# KiCad board panel.kicad_pcb (continued)
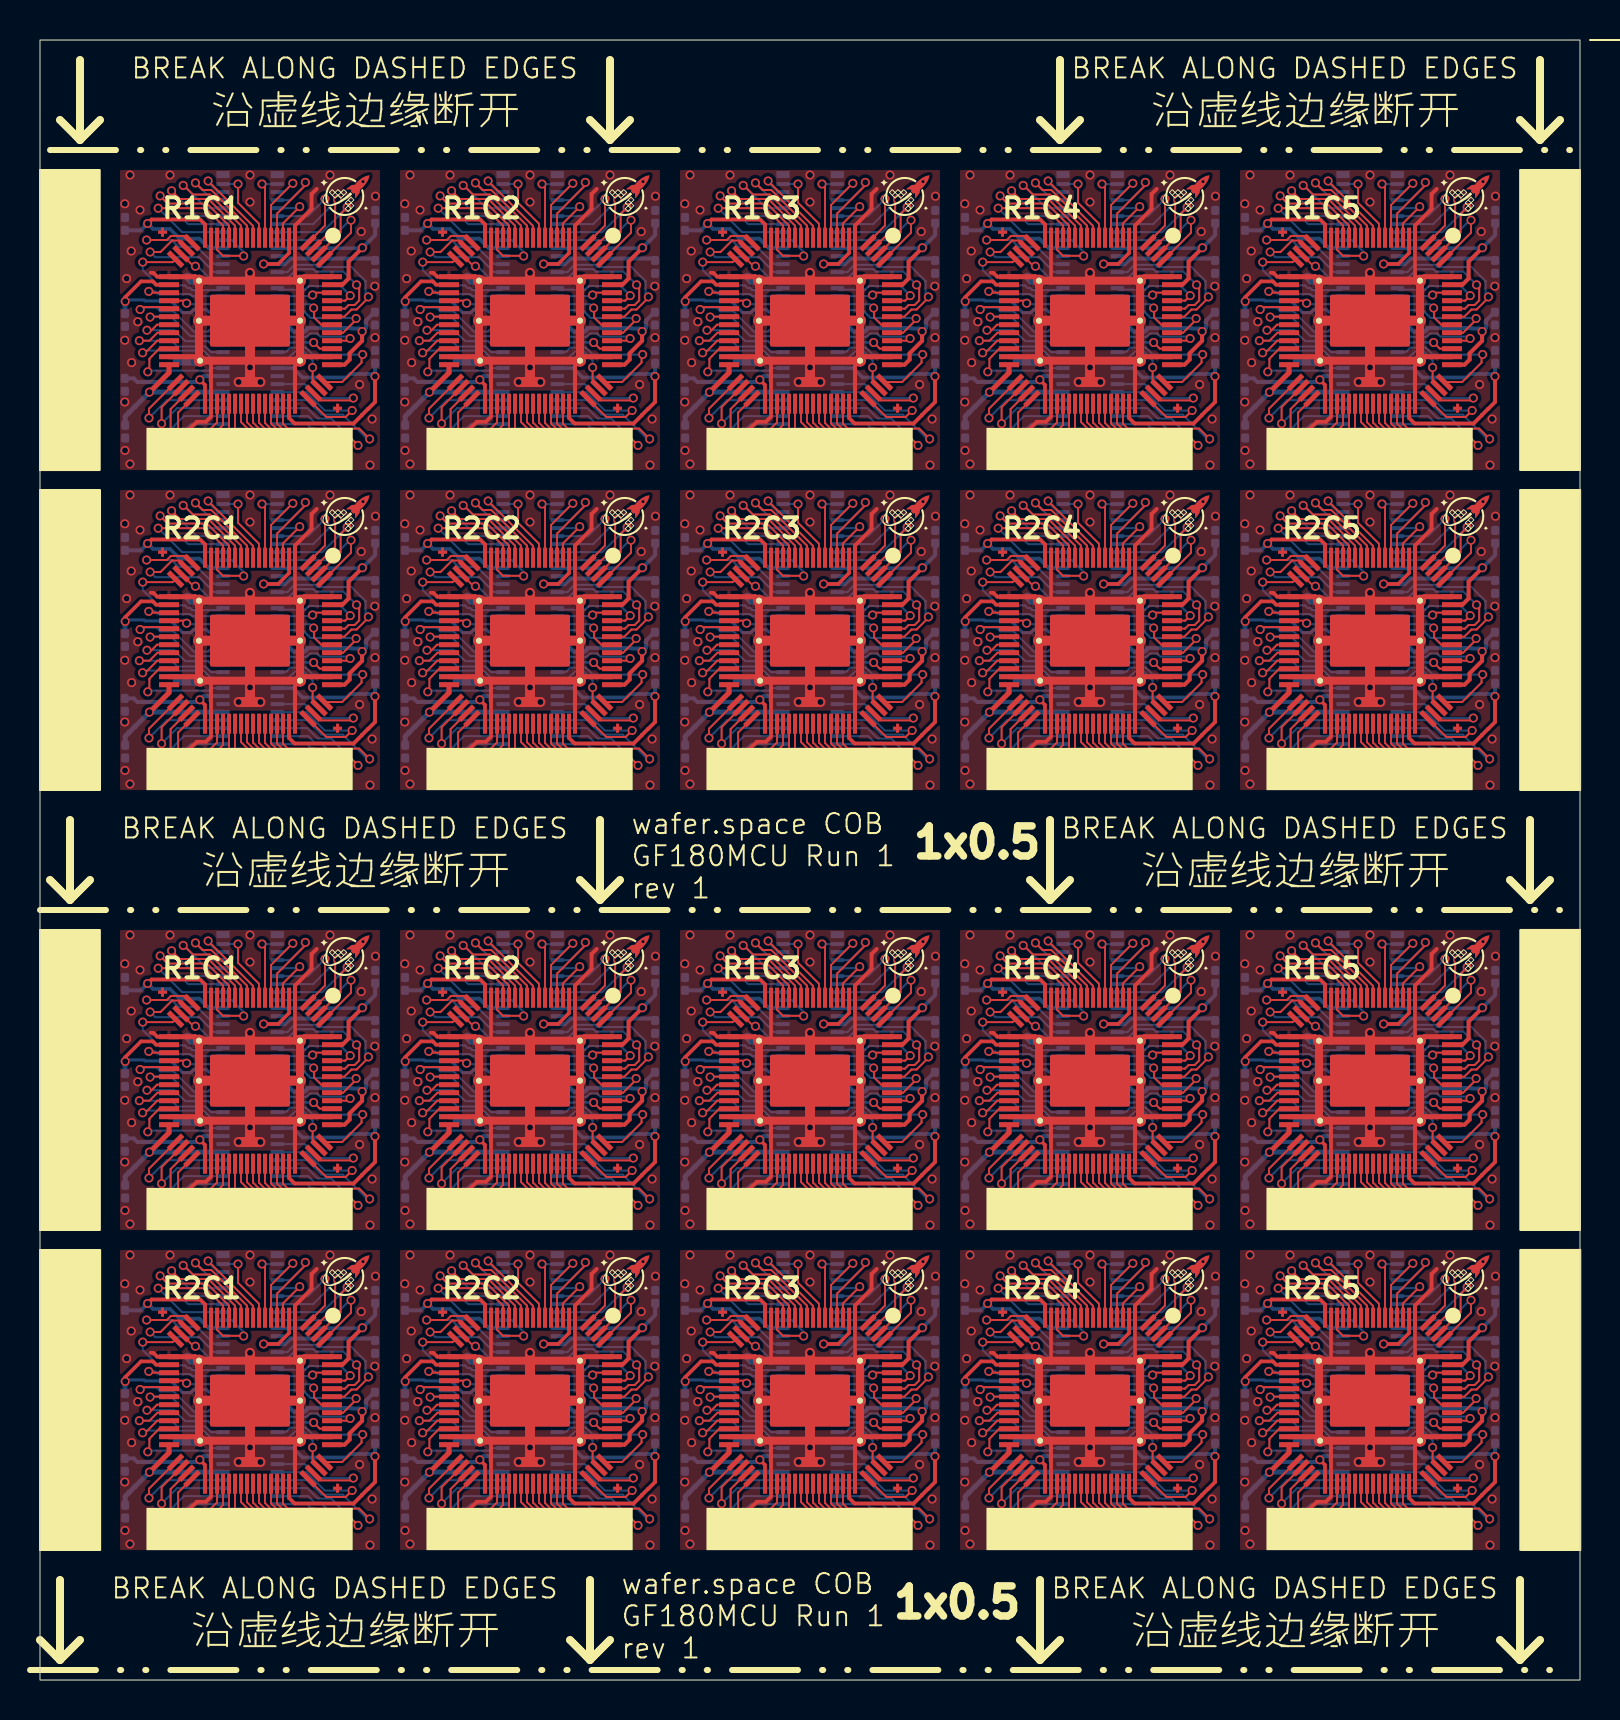
[diagram p0: board, top side]
## Routing (per net, layer and track width the routed paths; a pad name or vN(x,y) marks a point on that pad's centre or on a via; arc(x,y) is an arc through that point) (continued)
/bidir_10: length 151.9
  Top w0.1: 37.75,18.11 37.75,18.72 36.42,20.05 34.99,20.05 v1(34.58,20.46) ; U102#2.15 9.75,72.72 8.42,74.05 6.99,74.05 v1(6.58,74.46) ; v1(34.58,74.46) 34.99,74.05 36.42,74.05 37.75,72.72 U106.15 ; v1(20.58,20.46) 20.99,20.05 22.42,20.05 23.75,18.72 23.75,18.11 ; 23.75,34.11 23.75,34.72 22.42,36.05 20.99,36.05 v1(20.58,36.46) ; v1(6.58,20.46) 6.99,20.05 8.42,20.05 9.75,18.72 9.75,18.11 ; v1(20.58,58.46) 20.99,58.05 22.42,58.05 23.75,56.72 23.75,56.11 ; v1(48.58,20.46) 48.99,20.05 50.42,20.05 51.75,18.72 51.75,18.11 ; 65.75,56.11 65.75,56.72 64.42,58.05 62.99,58.05 v1(62.58,58.46) ; 37.75,34.11 37.75,34.72 36.42,36.05 34.99,36.05 v1(34.58,36.46) ; U110.15 65.75,72.72 64.42,74.05 62.99,74.05 v1(62.58,74.46) ; v1(6.58,58.46) 6.99,58.05 8.42,58.05 9.75,56.72 9.75,56.11 ; 9.75,34.11 9.75,34.72 8.42,36.05 6.99,36.05 v1(6.58,36.46) ; 51.75,34.11 51.75,34.72 50.42,36.05 48.99,36.05 v1(48.58,36.46) ; U108#2.15 51.75,72.72 50.42,74.05 48.99,74.05 v1(48.58,74.46) ; v1(62.58,36.46) 62.99,36.05 64.42,36.05 65.75,34.72 65.75,34.11 ; U104.15 23.75,72.72 22.42,74.05 20.99,74.05 v1(20.58,74.46) ; v1(34.58,58.46) 34.99,58.05 36.42,58.05 37.75,56.72 37.75,56.11 ; v1(48.58,58.46) 48.99,58.05 50.42,58.05 51.75,56.72 51.75,56.11 ; 65.75,18.11 65.75,18.72 64.42,20.05 62.99,20.05 v1(62.58,20.46)
  Bottom w0.1: U117.66 49.84,19.2 v1(48.58,20.46) ; U115.66 35.84,57.2 v1(34.58,58.46) ; U109.66 63.84,73.19 v1(62.58,74.46) ; v1(6.58,20.46) 7.84,19.2 U111#2.66 ; U115#2.66 35.84,19.2 v1(34.58,20.46) ; v1(20.58,74.46) 21.84,73.19 U103.66 ; U109#2.66 63.84,35.2 v1(62.58,36.46) ; v1(48.58,58.46) 49.84,57.2 U117#2.66 ; v1(48.58,36.46) 49.84,35.2 U107.66 ; U101.66 7.84,35.2 v1(6.58,36.46) ; U113.66 21.84,57.2 v1(20.58,58.46) ; v1(20.58,20.46) 21.84,19.2 U113#2.66 ; U105.66 35.84,35.2 v1(34.58,36.46) ; U105#2.66 35.84,73.19 v1(34.58,74.46) ; v1(20.58,36.46) 21.84,35.2 U103#2.66 ; U119.66 63.84,19.2 v1(62.58,20.46) ; U111.66 7.84,57.2 v1(6.58,58.46) ; U107#2.66 49.84,73.19 v1(48.58,74.46) ; U119#2.66 63.84,57.2 v1(62.58,58.46) ; U101#2.66 7.84,73.19 v1(6.58,74.46)
/bidir_11: length 168.1
  Top w0.1: 37.45,56.11 37.45,56.72 36.34,57.83 34.38,57.83 34.01,58.2 v1(34.01,58.21) ; U106.16 37.45,72.72 36.34,73.83 34.38,73.83 34.01,74.2 v1(34.01,74.21) ; 9.45,18.11 9.45,18.72 8.34,19.83 6.38,19.83 6.01,20.2 v1(6.01,20.21) ; U102#2.16 9.45,72.72 8.34,73.83 6.38,73.83 6.01,74.2 v1(6.01,74.21) ; v1(20.01,58.21) 20.01,58.2 20.38,57.83 22.34,57.83 23.45,56.72 23.45,56.11 ; v1(62.01,74.21) 62.01,74.2 62.38,73.83 64.34,73.83 65.45,72.72 U110.16 ; v1(34.01,20.21) 34.01,20.2 34.38,19.83 36.34,19.83 37.45,18.72 37.45,18.11 ; 65.45,18.11 65.45,18.72 64.34,19.83 62.38,19.83 62.01,20.2 v1(62.01,20.21) ; 65.45,34.11 65.45,34.72 64.34,35.83 62.38,35.83 62.01,36.2 v1(62.01,36.21) ; 37.45,34.11 37.45,34.72 36.34,35.83 34.38,35.83 34.01,36.2 v1(34.01,36.21) ; v1(62.01,58.21) 62.01,58.2 62.38,57.83 64.34,57.83 65.45,56.72 65.45,56.11 ; U104.16 23.45,72.72 22.34,73.83 20.38,73.83 20.01,74.2 v1(20.01,74.21) ; 51.45,56.11 51.45,56.72 50.34,57.83 48.38,57.83 48.01,58.2 v1(48.01,58.21) ; v1(20.01,36.21) 20.01,36.2 20.38,35.83 22.34,35.83 23.45,34.72 23.45,34.11 ; U108#2.16 51.45,72.72 50.34,73.83 48.38,73.83 48.01,74.2 v1(48.01,74.21) ; v1(6.01,36.21) 6.01,36.2 6.38,35.83 8.34,35.83 9.45,34.72 9.45,34.11 ; 9.45,56.11 9.45,56.72 8.34,57.83 6.38,57.83 6.01,58.2 v1(6.01,58.21) ; v1(20.01,20.21) 20.01,20.2 20.38,19.83 22.34,19.83 23.45,18.72 23.45,18.11 ; 51.45,18.11 51.45,18.72 50.34,19.83 48.38,19.83 48.01,20.2 v1(48.01,20.21) ; v1(48.01,36.21) 48.01,36.2 48.38,35.83 50.34,35.83 51.45,34.72 51.45,34.11
  Bottom w0.1: v1(62.01,36.21) 62.01,36.2 63.41,34.8 U109#2.65 ; U105.65 35.41,34.8 34.01,36.2 v1(34.01,36.21) ; v1(62.01,20.21) 62.01,20.2 63.41,18.8 U119.65 ; v1(20.01,20.21) 20.01,20.2 21.41,18.8 U113#2.65 ; U103#2.65 21.41,34.8 20.01,36.2 v1(20.01,36.21) ; U107#2.65 49.41,72.8 48.01,74.2 v1(48.01,74.21) ; U111.65 7.41,56.8 6.01,58.2 v1(6.01,58.21) ; v1(20.01,74.21) 20.01,74.2 21.41,72.8 U103.65 ; v1(62.01,74.21) 62.01,74.2 63.41,72.8 U109.65 ; v1(48.01,36.21) 48.01,36.2 49.41,34.8 U107.65 ; U101#2.65 7.41,72.8 6.01,74.2 v1(6.01,74.21) ; v1(6.01,36.21) 6.01,36.2 7.41,34.8 U101.65 ; v1(6.01,20.21) 6.01,20.2 7.41,18.8 U111#2.65 ; v1(48.01,58.21) 48.01,58.2 49.41,56.8 U117#2.65 ; v1(48.01,20.21) 48.01,20.2 49.41,18.8 U117.65 ; v1(34.01,58.21) 34.01,58.2 35.41,56.8 U115.65 ; v1(62.01,58.21) 62.01,58.2 63.41,56.8 U119#2.65 ; U105#2.65 35.41,72.8 34.01,74.2 v1(34.01,74.21) ; U115#2.65 35.41,18.8 34.01,20.2 v1(34.01,20.21) ; U113.65 21.41,56.8 20.01,58.2 v1(20.01,58.21)
/bidir_12: length 158.9
  Top w0.1: v1(47.91,57.59) 50.28,57.59 51.15,56.72 51.15,56.11 ; v1(61.91,35.59) 64.28,35.59 65.15,34.72 65.15,34.11 ; v1(5.91,35.59) 8.28,35.59 9.15,34.72 9.15,34.11 ; v1(33.91,19.59) 36.28,19.59 37.15,18.72 37.15,18.11 ; 65.15,18.11 65.15,18.72 64.28,19.59 v1(61.91,19.59) ; 23.15,18.11 23.15,18.72 22.28,19.59 v1(19.91,19.59) ; v1(61.91,73.59) 64.28,73.59 65.15,72.72 U110.17 ; v1(47.91,73.59) 50.28,73.59 51.15,72.72 U108#2.17 ; 23.15,34.11 23.15,34.72 22.28,35.59 v1(19.91,35.59) ; v1(33.91,35.59) 36.28,35.59 37.15,34.72 37.15,34.11 ; v1(33.91,57.59) 36.28,57.59 37.15,56.72 37.15,56.11 ; 65.15,56.11 65.15,56.72 64.28,57.59 v1(61.91,57.59) ; U102#2.17 9.15,72.72 8.28,73.59 v1(5.91,73.59) ; v1(47.91,35.59) 50.28,35.59 51.15,34.72 51.15,34.11 ; v1(5.91,57.59) 8.28,57.59 9.15,56.72 9.15,56.11 ; U104.17 23.15,72.72 22.28,73.59 v1(19.91,73.59) ; 23.15,56.11 23.15,56.72 22.28,57.59 v1(19.91,57.59) ; v1(33.91,73.59) 36.28,73.59 37.15,72.72 U106.17 ; 51.15,18.11 51.15,18.72 50.28,19.59 v1(47.91,19.59) ; 9.15,18.11 9.15,18.72 8.28,19.59 v1(5.91,19.59)
  Bottom w0.1: v1(5.91,57.59) 7.1,56.39 9.15,56.39 ; v1(19.91,57.59) 21.1,56.39 23.15,56.39 ; v1(33.91,73.59) 35.1,72.4 U105#2.64 ; v1(19.91,35.59) 21.1,34.39 23.15,34.39 ; U101#2.64 7.1,72.4 v1(5.91,73.59) ; 65.16,34.39 63.1,34.39 v1(61.91,35.59) ; v1(61.91,19.59) 63.1,18.39 65.16,18.39 ; 37.15,18.39 35.1,18.39 v1(33.91,19.59) ; v1(61.91,73.59) 63.1,72.4 U109.64 ; 51.15,56.39 49.1,56.39 v1(47.91,57.59) ; 37.15,34.39 35.1,34.39 v1(33.91,35.59) ; 23.15,18.39 21.1,18.39 v1(19.91,19.59) ; 51.15,34.39 49.1,34.39 v1(47.91,35.59) ; v1(47.91,19.59) 49.1,18.39 51.15,18.39 ; 9.15,34.39 7.1,34.39 v1(5.91,35.59) ; v1(5.91,19.59) 7.1,18.39 9.15,18.39 ; 65.16,56.39 63.1,56.39 v1(61.91,57.59) ; v1(33.91,57.59) 35.1,56.39 37.15,56.39 ; U103.64 21.1,72.4 v1(19.91,73.59) ; U107#2.64 49.1,72.4 v1(47.91,73.59)
/bidir_13: length 70.7
  Top w0.1: U110.18 64.85,71.51 65.15,71.21 66.17,71.21 v1(66.18,71.2) ; U102#2.18 8.85,71.51 9.15,71.21 10.17,71.21 v1(10.18,71.2) ; v1(24.18,33.2) 24.17,33.21 23.15,33.21 22.85,33.51 22.85,34.11 ; 36.85,18.11 36.85,17.51 37.15,17.21 38.17,17.21 v1(38.18,17.2) ; v1(52.18,55.2) 52.17,55.21 51.15,55.21 50.85,55.51 50.85,56.11 ; 22.85,18.11 22.85,17.51 23.15,17.21 24.17,17.21 v1(24.18,17.2) ; 36.85,34.11 36.85,33.51 37.15,33.21 38.17,33.21 v1(38.18,33.2) ; 50.85,34.11 50.85,33.51 51.15,33.21 52.17,33.21 v1(52.18,33.2) ; U104.18 22.85,71.51 23.15,71.21 24.17,71.21 v1(24.18,71.2) ; 22.85,56.11 22.85,55.51 23.15,55.21 24.17,55.21 v1(24.18,55.2) ; 64.85,56.11 64.85,55.51 65.15,55.21 66.17,55.21 v1(66.18,55.2) ; v1(52.18,71.2) 52.17,71.21 51.15,71.21 50.85,71.51 U108#2.18 ; v1(66.18,17.2) 66.17,17.21 65.15,17.21 64.85,17.51 64.85,18.11 ; v1(38.18,71.2) 38.17,71.21 37.15,71.21 36.85,71.51 U106.18 ; v1(52.18,17.2) 52.17,17.21 51.15,17.21 50.85,17.51 50.85,18.11 ; v1(10.18,33.2) 10.17,33.21 9.15,33.21 8.85,33.51 8.85,34.11 ; v1(10.18,55.2) 10.17,55.21 9.15,55.21 8.85,55.51 8.85,56.11 ; v1(66.18,33.2) 66.17,33.21 65.15,33.21 64.85,33.51 64.85,34.11 ; 36.85,56.11 36.85,55.51 37.15,55.21 38.17,55.21 v1(38.18,55.2) ; 8.85,18.11 8.85,17.51 9.15,17.21 10.17,17.21 v1(10.18,17.2)
  Bottom w0.1: v1(24.18,33.2) 24.18,33.4 23.59,34 U103#2.63 ; U105#2.63 37.59,72 38.18,71.4 v1(38.18,71.2) ; v1(66.18,33.2) 66.18,33.4 65.59,34 U109#2.63 ; v1(66.18,71.2) 66.18,71.4 65.59,72 U109.63 ; v1(24.18,55.2) 24.18,55.4 23.59,56 U113.63 ; U101.63 9.59,34 10.18,33.4 v1(10.18,33.2) ; v1(10.18,55.2) 10.18,55.4 9.59,56 U111.63 ; v1(52.18,71.2) 52.18,71.4 51.59,72 U107#2.63 ; U119.63 65.59,18 66.18,17.4 v1(66.18,17.2) ; U111#2.63 9.59,18 10.18,17.4 v1(10.18,17.2) ; U113#2.63 23.59,18 24.18,17.4 v1(24.18,17.2) ; U117.63 51.59,18 52.18,17.4 v1(52.18,17.2) ; v1(10.18,71.2) 10.18,71.4 9.59,72 U101#2.63 ; U117#2.63 51.59,56 52.18,55.4 v1(52.18,55.2) ; v1(38.18,17.2) 38.18,17.4 37.59,18 U115#2.63 ; U105.63 37.59,34 38.18,33.4 v1(38.18,33.2) ; v1(24.18,71.2) 24.18,71.4 23.59,72 U103.63 ; U107.63 51.59,34 52.18,33.4 v1(52.18,33.2) ; v1(38.18,55.2) 38.18,55.4 37.59,56 U115.63 ; U119#2.63 65.59,56 66.18,55.4 v1(66.18,55.2)
/bidir_14: length 136.4
  Top w0.1: v1(5.33,72) 6.34,72 6.54,72.2 7.26,72.2 U102#2.21 ; U114#2.21 21.26,18.2 20.54,18.2 20.34,18 v1(19.33,18) ; U104#2.21 21.26,34.2 20.54,34.2 20.34,34 v1(19.33,34) ; U120.21 63.26,18.2 62.54,18.2 62.34,18 v1(61.33,18) ; v1(33.33,18) 34.34,18 34.54,18.2 35.26,18.2 U116#2.21 ; U114.21 21.26,56.2 20.54,56.2 20.34,56 v1(19.33,56) ; v1(47.33,56) 48.34,56 48.54,56.2 49.26,56.2 U118.21 ; v1(33.33,34) 34.34,34 34.54,34.2 35.26,34.2 U106#2.21 ; U110#2.21 63.26,34.2 62.54,34.2 62.34,34 v1(61.33,34) ; v1(33.33,72) 34.34,72 34.54,72.2 35.26,72.2 U106.21 ; U108#2.21 49.26,72.2 48.54,72.2 48.34,72 v1(47.33,72) ; v1(47.33,18) 48.34,18 48.54,18.2 49.26,18.2 U118#2.21 ; U108.21 49.26,34.2 48.54,34.2 48.34,34 v1(47.33,34) ; U116.21 35.26,56.2 34.54,56.2 34.34,56 v1(33.33,56) ; v1(5.33,18) 6.34,18 6.54,18.2 7.26,18.2 U112#2.21 ; U120#2.21 63.26,56.2 62.54,56.2 62.34,56 v1(61.33,56) ; U112.21 7.26,56.2 6.54,56.2 6.34,56 v1(5.33,56) ; v1(5.33,34) 6.34,34 6.54,34.2 7.26,34.2 U102.21 ; U104.21 21.26,72.2 20.54,72.2 20.34,72 v1(19.33,72) ; v1(61.33,72) 62.34,72 62.54,72.2 63.26,72.2 U110.21
  Bottom w0.1: v1(33.33,18) 34.58,18 34.92,17.66 35.84,17.66 36.71,16.8 U115#2.60 ; v1(61.33,34) 62.58,34 62.92,33.66 63.84,33.66 64.71,32.8 U109#2.60 ; U111#2.60 8.71,16.8 7.84,17.66 6.92,17.66 6.58,18 v1(5.33,18) ; U105.60 36.71,32.8 35.84,33.66 34.92,33.66 34.58,34 v1(33.33,34) ; U111.60 8.71,54.8 7.84,55.66 6.92,55.66 6.58,56 v1(5.33,56) ; U113#2.60 22.71,16.8 21.84,17.66 20.92,17.66 20.58,18 v1(19.33,18) ; U117.60 50.71,16.8 49.84,17.66 48.92,17.66 48.58,18 v1(47.33,18) ; v1(19.33,34) 20.58,34 20.92,33.66 21.84,33.66 22.71,32.8 U103#2.60 ; U107.60 50.71,32.8 49.84,33.66 48.92,33.66 48.58,34 v1(47.33,34) ; U101#2.60 8.71,70.8 7.84,71.66 6.92,71.66 6.58,72 v1(5.33,72) ; v1(5.33,34) 6.58,34 6.92,33.66 7.84,33.66 8.71,32.8 U101.60 ; U105#2.60 36.71,70.8 35.84,71.66 34.92,71.66 34.58,72 v1(33.33,72) ; v1(61.33,18) 62.58,18 62.92,17.66 63.84,17.66 64.71,16.8 U119.60 ; v1(47.33,56) 48.58,56 48.92,55.66 49.84,55.66 50.71,54.8 U117#2.60 ; v1(33.33,56) 34.58,56 34.92,55.66 35.84,55.66 36.71,54.8 U115.60 ; U113.60 22.71,54.8 21.84,55.66 20.92,55.66 20.58,56 v1(19.33,56) ; v1(61.33,56) 62.58,56 62.92,55.66 63.84,55.66 64.71,54.8 U119#2.60 ; v1(61.33,72) 62.58,72 62.92,71.66 63.84,71.66 64.71,70.8 U109.60 ; v1(47.33,72) 48.58,72 48.92,71.66 49.84,71.66 50.71,70.8 U107#2.60 ; U103.60 22.71,70.8 21.84,71.66 20.92,71.66 20.58,72 v1(19.33,72)
/bidir_15: length 125.7
  Top w0.1: U112#2.22 6.94,17.97 6.6,17.97 6.03,17.4 v1(5.51,17.4) ; U110#2.22 62.94,33.97 62.6,33.97 62.03,33.4 v1(61.51,33.4) ; v1(5.51,33.4) 6.03,33.4 6.6,33.97 6.94,33.97 U102.22 ; v1(19.51,17.4) 20.03,17.4 20.6,17.97 20.94,17.97 U114#2.22 ; U108#2.22 48.94,71.97 48.6,71.97 48.03,71.4 v1(47.51,71.4) ; U118#2.22 48.94,17.97 48.6,17.97 48.03,17.4 v1(47.51,17.4) ; U104#2.22 20.94,33.97 20.6,33.97 20.03,33.4 v1(19.51,33.4) ; U116.22 34.94,55.97 34.6,55.97 34.03,55.4 v1(33.51,55.4) ; v1(5.51,55.4) 6.03,55.4 6.6,55.97 6.94,55.97 U112.22 ; U106#2.22 34.94,33.97 34.6,33.97 34.03,33.4 v1(33.51,33.4) ; v1(61.51,71.4) 62.03,71.4 62.6,71.97 62.94,71.97 U110.22 ; U104.22 20.94,71.97 20.6,71.97 20.03,71.4 v1(19.51,71.4) ; U106.22 34.94,71.97 34.6,71.97 34.03,71.4 v1(33.51,71.4) ; U120#2.22 62.94,55.97 62.6,55.97 62.03,55.4 v1(61.51,55.4) ; U118.22 48.94,55.97 48.6,55.97 48.03,55.4 v1(47.51,55.4) ; v1(5.51,71.4) 6.03,71.4 6.6,71.97 6.94,71.97 U102#2.22 ; v1(61.51,17.4) 62.03,17.4 62.6,17.97 62.94,17.97 U120.22 ; v1(19.51,55.4) 20.03,55.4 20.6,55.97 20.94,55.97 U114.22 ; v1(47.51,33.4) 48.03,33.4 48.6,33.97 48.94,33.97 U108.22 ; v1(33.51,17.4) 34.03,17.4 34.6,17.97 34.94,17.97 U116#2.22
  Bottom w0.1: v1(33.51,33.4) 33.76,33.14 35.96,33.14 36.7,32.39 37.15,32.39 ; v1(5.51,33.4) 5.76,33.14 7.96,33.14 8.7,32.39 9.15,32.39 ; v1(61.51,33.4) 61.76,33.14 63.96,33.14 64.7,32.39 65.16,32.39 ; v1(61.51,17.4) 61.76,17.14 63.96,17.14 64.7,16.39 65.16,16.39 ; v1(33.51,17.4) 33.76,17.14 35.96,17.14 36.7,16.39 37.15,16.39 ; U103.59 22.7,70.4 21.96,71.14 19.76,71.14 v1(19.51,71.4) ; U109.59 64.7,70.4 63.96,71.14 61.76,71.14 v1(61.51,71.4) ; 51.15,32.39 50.7,32.39 49.96,33.14 47.76,33.14 v1(47.51,33.4) ; v1(33.51,71.4) 33.76,71.14 35.96,71.14 36.7,70.4 U105#2.59 ; U101#2.59 8.7,70.4 7.96,71.14 5.76,71.14 v1(5.51,71.4) ; v1(33.51,55.4) 33.76,55.14 35.96,55.14 36.7,54.39 37.15,54.39 ; v1(47.51,17.4) 47.76,17.14 49.96,17.14 50.7,16.39 51.15,16.39 ; v1(5.51,17.4) 5.76,17.14 7.96,17.14 8.7,16.39 9.15,16.39 ; v1(19.51,33.4) 19.76,33.14 21.96,33.14 22.7,32.39 23.15,32.39 ; 23.15,54.39 22.7,54.39 21.96,55.14 19.76,55.14 v1(19.51,55.4) ; 23.15,16.39 22.7,16.39 21.96,17.14 19.76,17.14 v1(19.51,17.4) ; 9.15,54.39 8.7,54.39 7.96,55.14 5.76,55.14 v1(5.51,55.4) ; v1(61.51,55.4) 61.76,55.14 63.96,55.14 64.7,54.39 65.16,54.39 ; 51.15,54.39 50.7,54.39 49.96,55.14 47.76,55.14 v1(47.51,55.4) ; U107#2.59 50.7,70.4 49.96,71.14 47.76,71.14 v1(47.51,71.4)
/bidir_16: length 53
  Top w0.1: v1(35.77,32.69) 35.76,32.7 35.66,32.7 U106#2.23 ; v1(49.77,32.69) 49.76,32.7 49.66,32.7 U108.23 ; U120.23 63.66,16.7 63.76,16.7 v1(63.77,16.69) ; v1(49.77,54.69) 49.76,54.7 49.66,54.7 U118.23 ; v1(35.77,54.69) 35.76,54.7 35.66,54.7 U116.23 ; U112#2.23 7.66,16.7 7.76,16.7 v1(7.77,16.69) ; 63.05,71.31 63.66,70.7 63.76,70.7 v1(63.77,70.69) ; v1(35.77,16.69) 35.76,16.7 35.66,16.7 U116#2.23 ; v1(49.77,16.69) 49.76,16.7 49.66,16.7 U118#2.23 ; U112.23 7.66,54.7 7.76,54.7 v1(7.77,54.69) ; v1(7.77,70.69) 7.76,70.7 7.66,70.7 7.05,71.31 ; v1(49.77,70.69) 49.76,70.7 49.66,70.7 49.05,71.31 ; U120#2.23 63.66,54.7 63.76,54.7 v1(63.77,54.69) ; U104#2.23 21.66,32.7 21.76,32.7 v1(21.77,32.69) ; 21.05,71.31 21.66,70.7 21.76,70.7 v1(21.77,70.69) ; U102.23 7.66,32.7 7.76,32.7 v1(7.77,32.69) ; U110#2.23 63.66,32.7 63.76,32.7 v1(63.77,32.69) ; v1(21.77,16.69) 21.76,16.7 21.66,16.7 U114#2.23 ; 35.05,71.31 35.66,70.7 35.76,70.7 v1(35.77,70.69) ; v1(21.77,54.69) 21.76,54.7 21.66,54.7 U114.23
  Bottom w0.1: v1(7.77,16.69) 7.88,16.69 8.57,16 U111#2.58 ; U109.58 64.57,70 63.88,70.69 v1(63.77,70.69) ; v1(49.77,70.69) 49.88,70.69 50.57,70 U107#2.58 ; v1(63.77,32.69) 63.88,32.69 64.57,32 U109#2.58 ; U119#2.58 64.57,54 63.88,54.69 v1(63.77,54.69) ; v1(7.77,54.69) 7.88,54.69 8.57,54 U111.58 ; U105#2.58 36.57,70 35.88,70.69 v1(35.77,70.69) ; U113.58 22.57,54 21.88,54.69 v1(21.77,54.69) ; U117#2.58 50.57,54 49.88,54.69 v1(49.77,54.69) ; v1(63.77,16.69) 63.88,16.69 64.57,16 U119.58 ; U113#2.58 22.57,16 21.88,16.69 v1(21.77,16.69) ; v1(7.77,32.69) 7.88,32.69 8.57,32 U101.58 ; v1(21.77,70.69) 21.88,70.69 22.57,70 U103.58 ; v1(49.77,32.69) 49.88,32.69 50.57,32 U107.58 ; U105.58 36.57,32 35.88,32.69 v1(35.77,32.69) ; U117.58 50.57,16 49.88,16.69 v1(49.77,16.69) ; U115#2.58 36.57,16 35.88,16.69 v1(35.77,16.69) ; U101#2.58 8.57,70 7.88,70.69 v1(7.77,70.69) ; v1(21.77,32.69) 21.88,32.69 22.57,32 U103#2.58 ; v1(35.77,54.69) 35.88,54.69 36.57,54 U115.58
/bidir_17: length 131.5
  Top w0.1: v1(5.14,32.89) 6.63,32.89 U102.24 ; v1(19.14,16.89) 20.63,16.89 U114#2.24 ; v1(47.14,70.89) 48.63,70.89 U108#2.24 ; v1(47.14,32.89) 48.63,32.89 U108.24 ; v1(47.14,54.89) 48.63,54.89 U118.24 ; U112#2.24 6.63,16.89 v1(5.14,16.89) ; U116#2.24 34.63,16.89 v1(33.14,16.89) ; U102#2.24 6.63,70.89 v1(5.14,70.89) ; v1(61.14,16.89) 62.63,16.89 U120.24 ; v1(19.14,70.89) 20.63,70.89 U104.24 ; v1(61.14,54.89) 62.63,54.89 U120#2.24 ; U116.24 34.63,54.89 v1(33.14,54.89) ; U104#2.24 20.63,32.89 v1(19.14,32.89) ; U112.24 6.63,54.89 v1(5.14,54.89) ; v1(33.14,70.89) 34.63,70.89 U106.24 ; U114.24 20.63,54.89 v1(19.14,54.89) ; U110#2.24 62.63,32.89 v1(61.14,32.89) ; v1(61.14,70.89) 62.63,70.89 U110.24 ; v1(47.14,16.89) 48.63,16.89 U118#2.24 ; U106#2.24 34.63,32.89 v1(33.14,32.89)
  Bottom w0.1: v1(47.14,16.89) 47.14,16.49 47.9,15.73 49.25,15.73 49.38,15.6 49.49,15.6 49.6,15.49 51.05,15.49 U117.57 ; v1(5.14,70.89) 5.14,70.49 5.9,69.73 7.25,69.73 7.38,69.6 7.49,69.6 7.6,69.49 9.05,69.49 U101#2.57 ; v1(19.14,54.89) 19.14,54.49 19.9,53.73 21.25,53.73 21.38,53.6 21.49,53.6 21.6,53.49 23.05,53.49 U113.57 ; v1(33.14,32.89) 33.14,32.49 33.9,31.73 35.25,31.73 35.38,31.6 35.49,31.6 35.6,31.49 37.05,31.49 U105.57 ; U103.57 23.05,69.49 21.6,69.49 21.49,69.6 21.38,69.6 21.25,69.73 19.9,69.73 19.14,70.49 v1(19.14,70.89) ; U107#2.57 51.05,69.49 49.6,69.49 49.49,69.6 49.38,69.6 49.25,69.73 47.9,69.73 47.14,70.49 v1(47.14,70.89) ; U101.57 9.05,31.49 7.6,31.49 7.49,31.6 7.38,31.6 7.25,31.73 5.9,31.73 5.14,32.49 v1(5.14,32.89) ; v1(61.14,70.89) 61.14,70.49 61.9,69.73 63.25,69.73 63.38,69.6 63.49,69.6 63.6,69.49 65.05,69.49 U109.57 ; v1(47.14,32.89) 47.14,32.49 47.9,31.73 49.25,31.73 49.38,31.6 49.49,31.6 49.6,31.49 51.05,31.49 U107.57 ; U119.57 65.05,15.49 63.6,15.49 63.49,15.6 63.38,15.6 63.25,15.73 61.9,15.73 61.14,16.49 v1(61.14,16.89) ; v1(47.14,54.89) 47.14,54.49 47.9,53.73 49.25,53.73 49.38,53.6 49.49,53.6 49.6,53.49 51.05,53.49 U117#2.57 ; v1(61.14,54.89) 61.14,54.49 61.9,53.73 63.25,53.73 63.38,53.6 63.49,53.6 63.6,53.49 65.05,53.49 U119#2.57 ; U105#2.57 37.05,69.49 35.6,69.49 35.49,69.6 35.38,69.6 35.25,69.73 33.9,69.73 33.14,70.49 v1(33.14,70.89) ; U113#2.57 23.05,15.49 21.6,15.49 21.49,15.6 21.38,15.6 21.25,15.73 19.9,15.73 19.14,16.49 v1(19.14,16.89) ; U111.57 9.05,53.49 7.6,53.49 7.49,53.6 7.38,53.6 7.25,53.73 5.9,53.73 5.14,54.49 v1(5.14,54.89) ; v1(19.14,32.89) 19.14,32.49 19.9,31.73 21.25,31.73 21.38,31.6 21.49,31.6 21.6,31.49 23.05,31.49 U103#2.57 ; U115.57 37.05,53.49 35.6,53.49 35.49,53.6 35.38,53.6 35.25,53.73 33.9,53.73 33.14,54.49 v1(33.14,54.89) ; U109#2.57 65.05,31.49 63.6,31.49 63.49,31.6 63.38,31.6 63.25,31.73 61.9,31.73 61.14,32.49 v1(61.14,32.89) ; U115#2.57 37.05,15.49 35.6,15.49 35.49,15.6 35.38,15.6 35.25,15.73 33.9,15.73 33.14,16.49 v1(33.14,16.89) ; v1(5.14,16.89) 5.14,16.49 5.9,15.73 7.25,15.73 7.38,15.6 7.49,15.6 7.6,15.49 9.05,15.49 U111#2.57
/bidir_18: length 97
  Top w0.1: v1(47.44,31.43) 47.51,31.36 U108.27 ; v1(47.44,15.43) 47.51,15.36 U118#2.27 ; U102.27 5.51,31.36 v1(5.44,31.43) ; U118.27 47.51,53.36 v1(47.44,53.43) ; U110.27 61.51,69.37 v1(61.44,69.43) ; U116#2.27 33.51,15.36 v1(33.44,15.43) ; v1(19.44,69.43) 19.51,69.37 U104.27 ; U120.27 61.51,15.36 v1(61.44,15.43) ; U112#2.27 5.51,15.36 v1(5.44,15.43) ; U102#2.27 5.51,69.37 v1(5.44,69.43) ; v1(19.44,31.43) 19.51,31.36 U104#2.27 ; U110#2.27 61.51,31.36 v1(61.44,31.43) ; v1(33.44,69.43) 33.51,69.37 U106.27 ; U112.27 5.51,53.36 v1(5.44,53.43) ; U120#2.27 61.51,53.36 v1(61.44,53.43) ; v1(33.44,53.43) 33.51,53.36 U116.27 ; v1(19.44,15.43) 19.51,15.36 U114#2.27 ; v1(33.44,31.43) 33.51,31.36 U106#2.27 ; v1(19.44,53.43) 19.51,53.36 U114.27 ; U108#2.27 47.51,69.37 v1(47.44,69.43)
  Bottom w0.1: U103.56 21.61,69.19 21.52,69.29 19.89,69.29 19.75,69.43 v1(19.44,69.43) ; v1(19.44,15.43) 19.75,15.43 19.89,15.29 21.52,15.29 21.61,15.2 U113#2.56 ; U111.56 7.61,53.2 7.52,53.29 5.89,53.29 5.75,53.43 v1(5.44,53.43) ; U105#2.56 35.61,69.19 35.52,69.29 33.89,69.29 33.75,69.43 v1(33.44,69.43) ; U119#2.56 63.61,53.2 63.52,53.29 61.89,53.29 61.75,53.43 v1(61.44,53.43) ; U117#2.56 49.61,53.2 49.52,53.29 47.89,53.29 47.75,53.43 v1(47.44,53.43) ; v1(47.44,15.43) 47.75,15.43 47.89,15.29 49.52,15.29 49.61,15.2 U117.56 ; U101.56 7.61,31.2 7.52,31.29 5.89,31.29 5.75,31.43 v1(5.44,31.43) ; U115#2.56 35.61,15.2 35.52,15.29 33.89,15.29 33.75,15.43 v1(33.44,15.43) ; U107#2.56 49.61,69.19 49.52,69.29 47.89,69.29 47.75,69.43 v1(47.44,69.43) ; U109#2.56 63.61,31.2 63.52,31.29 61.89,31.29 61.75,31.43 v1(61.44,31.43) ; U105.56 35.61,31.2 35.52,31.29 33.89,31.29 33.75,31.43 v1(33.44,31.43) ; U113.56 21.61,53.2 21.52,53.29 19.89,53.29 19.75,53.43 v1(19.44,53.43) ; v1(5.44,69.43) 5.75,69.43 5.89,69.29 7.52,69.29 7.61,69.19 U101#2.56 ; U119.56 63.61,15.2 63.52,15.29 61.89,15.29 61.75,15.43 v1(61.44,15.43) ; U111#2.56 7.61,15.2 7.52,15.29 5.89,15.29 5.75,15.43 v1(5.44,15.43) ; v1(61.44,69.43) 61.75,69.43 61.89,69.29 63.52,69.29 63.61,69.19 U109.56 ; v1(33.44,53.43) 33.75,53.43 33.89,53.29 35.52,53.29 35.61,53.2 U115.56 ; U103#2.56 21.61,31.2 21.52,31.29 19.89,31.29 19.75,31.43 v1(19.44,31.43) ; U107.56 49.61,31.2 49.52,31.29 47.89,31.29 47.75,31.43 v1(47.44,31.43)
/bidir_19: length 55.5
  Top w0.1: U106.28 35.21,68.97 v1(35.33,68.84) ; U108#2.28 49.21,68.97 v1(49.33,68.84) ; U108.28 49.21,30.97 v1(49.33,30.84) ; v1(63.33,68.84) 63.21,68.97 U110.28 ; U114.28 21.21,52.97 v1(21.33,52.84) ; v1(49.33,52.84) 49.21,52.97 U118.28 ; v1(63.33,30.84) 63.21,30.97 U110#2.28 ; v1(21.33,30.84) 21.21,30.97 U104#2.28 ; v1(35.33,30.84) 35.21,30.97 U106#2.28 ; U102#2.28 7.21,68.97 v1(7.33,68.84) ; U120.28 63.21,14.97 v1(63.33,14.84) ; U102.28 7.21,30.97 v1(7.33,30.84) ; U112.28 7.21,52.97 v1(7.33,52.84) ; U116.28 35.21,52.97 v1(35.33,52.84) ; U114#2.28 21.21,14.97 v1(21.33,14.84) ; v1(7.33,14.84) 7.21,14.97 U112#2.28 ; U118#2.28 49.21,14.97 v1(49.33,14.84) ; U104.28 21.21,68.97 v1(21.33,68.84) ; U116#2.28 35.21,14.97 v1(35.33,14.84) ; v1(63.33,52.84) 63.21,52.97 U120#2.28
  Bottom w0.1: v1(63.33,68.84) 63.37,68.8 U109.55 ; v1(35.33,68.84) 35.37,68.8 U105#2.55 ; v1(21.33,52.84) 21.37,52.8 U113.55 ; U101.55 7.37,30.8 v1(7.33,30.84) ; U107.55 49.37,30.8 v1(49.33,30.84) ; U107#2.55 49.37,68.8 v1(49.33,68.84) ; U111.55 7.37,52.8 v1(7.33,52.84) ; U109#2.55 63.37,30.8 v1(63.33,30.84) ; v1(35.33,14.84) 35.37,14.8 U115#2.55 ; v1(49.33,14.84) 49.37,14.8 U117.55 ; U113#2.55 21.37,14.8 v1(21.33,14.84) ; v1(7.33,68.84) 7.37,68.8 U101#2.55 ; v1(49.33,52.84) 49.37,52.8 U117#2.55 ; U115.55 35.37,52.8 v1(35.33,52.84) ; U111#2.55 7.37,14.8 v1(7.33,14.84) ; U119.55 63.37,14.8 v1(63.33,14.84) ; U105.55 35.37,30.8 v1(35.33,30.84) ; v1(21.33,68.84) 21.37,68.8 U103.55 ; U119#2.55 63.37,52.8 v1(63.33,52.84) ; v1(21.33,30.84) 21.37,30.8 U103#2.55
/bidir_20: length 125.8
  Top w0.1: U120#2.29 62.37,52.65 61.13,52.65 v1(61.01,52.53) ; v1(19.01,52.53) 19.13,52.65 20.37,52.65 U114.29 ; v1(47.01,52.53) 47.13,52.65 48.37,52.65 U118.29 ; v1(5.01,30.53) 5.13,30.65 6.37,30.65 U102.29 ; U108.29 48.37,30.65 47.13,30.65 v1(47.01,30.53) ; U116.29 34.37,52.65 33.13,52.65 v1(33.01,52.53) ; U116#2.29 34.37,14.65 33.13,14.65 v1(33.01,14.53) ; U108#2.29 48.37,68.65 47.13,68.65 v1(47.01,68.53) ; v1(33.01,68.53) 33.13,68.65 34.37,68.65 U106.29 ; U120.29 62.37,14.65 61.13,14.65 v1(61.01,14.53) ; U106#2.29 34.37,30.65 33.13,30.65 v1(33.01,30.53) ; v1(5.01,14.53) 5.13,14.65 6.37,14.65 U112#2.29 ; U118#2.29 48.37,14.65 47.13,14.65 v1(47.01,14.53) ; v1(5.01,52.53) 5.13,52.65 6.37,52.65 U112.29 ; v1(61.01,68.53) 61.13,68.65 62.37,68.65 U110.29 ; U102#2.29 6.37,68.65 5.13,68.65 v1(5.01,68.53) ; U110#2.29 62.37,30.65 61.13,30.65 v1(61.01,30.53) ; U104#2.29 20.37,30.65 19.13,30.65 v1(19.01,30.53) ; v1(19.01,68.53) 19.13,68.65 20.37,68.65 U104.29 ; v1(19.01,14.53) 19.13,14.65 20.37,14.65 U114#2.29
  Bottom w0.1: U119#2.52 64.57,51.59 64.4,51.42 63.69,51.42 62.68,52.43 62.02,52.43 61.83,52.62 61.1,52.62 v1(61.01,52.53) ; v1(5.01,14.53) 5.1,14.62 5.83,14.62 6.02,14.43 6.68,14.43 7.69,13.42 8.4,13.42 8.57,13.59 U111#2.52 ; U109.52 64.57,67.59 64.4,67.42 63.69,67.42 62.68,68.43 62.02,68.43 61.83,68.62 61.1,68.62 v1(61.01,68.53) ; U117#2.52 50.57,51.59 50.4,51.42 49.69,51.42 48.68,52.43 48.02,52.43 47.83,52.62 47.1,52.62 v1(47.01,52.53) ; U107.52 50.57,29.59 50.4,29.42 49.69,29.42 48.68,30.43 48.02,30.43 47.83,30.62 47.1,30.62 v1(47.01,30.53) ; v1(33.01,30.53) 33.1,30.62 33.83,30.62 34.02,30.43 34.68,30.43 35.69,29.42 36.4,29.42 36.57,29.59 U105.52 ; U109#2.52 64.57,29.59 64.4,29.42 63.69,29.42 62.68,30.43 62.02,30.43 61.83,30.62 61.1,30.62 v1(61.01,30.53) ; U101.52 8.57,29.59 8.4,29.42 7.69,29.42 6.68,30.43 6.02,30.43 5.83,30.62 5.1,30.62 v1(5.01,30.53) ; v1(19.01,30.53) 19.1,30.62 19.83,30.62 20.02,30.43 20.68,30.43 21.69,29.42 22.4,29.42 22.57,29.59 U103#2.52 ; v1(33.01,68.53) 33.1,68.62 33.83,68.62 34.02,68.43 34.68,68.43 35.69,67.42 36.4,67.42 36.57,67.59 U105#2.52 ; v1(19.01,68.53) 19.1,68.62 19.83,68.62 20.02,68.43 20.68,68.43 21.69,67.42 22.4,67.42 22.57,67.59 U103.52 ; U115#2.52 36.57,13.59 36.4,13.42 35.69,13.42 34.68,14.43 34.02,14.43 33.83,14.62 33.1,14.62 v1(33.01,14.53) ; v1(5.01,52.53) 5.1,52.62 5.83,52.62 6.02,52.43 6.68,52.43 7.69,51.42 8.4,51.42 8.57,51.59 U111.52 ; U119.52 64.57,13.59 64.4,13.42 63.69,13.42 62.68,14.43 62.02,14.43 61.83,14.62 61.1,14.62 v1(61.01,14.53) ; U113.52 22.57,51.59 22.4,51.42 21.69,51.42 20.68,52.43 20.02,52.43 19.83,52.62 19.1,52.62 v1(19.01,52.53) ; v1(5.01,68.53) 5.1,68.62 5.83,68.62 6.02,68.43 6.68,68.43 7.69,67.42 8.4,67.42 8.57,67.59 U101#2.52 ; v1(33.01,52.53) 33.1,52.62 33.83,52.62 34.02,52.43 34.68,52.43 35.69,51.42 36.4,51.42 36.57,51.59 U115.52 ; v1(47.01,14.53) 47.1,14.62 47.83,14.62 48.02,14.43 48.68,14.43 49.69,13.42 50.4,13.42 50.57,13.59 U117.52 ; v1(47.01,68.53) 47.1,68.62 47.83,68.62 48.02,68.43 48.68,68.43 49.69,67.42 50.4,67.42 50.57,67.59 U107#2.52 ; v1(19.01,14.53) 19.1,14.62 19.83,14.62 20.02,14.43 20.68,14.43 21.69,13.42 22.4,13.42 22.57,13.59 U113#2.52